# Altium PCB PCB.PcbDoc (continued)
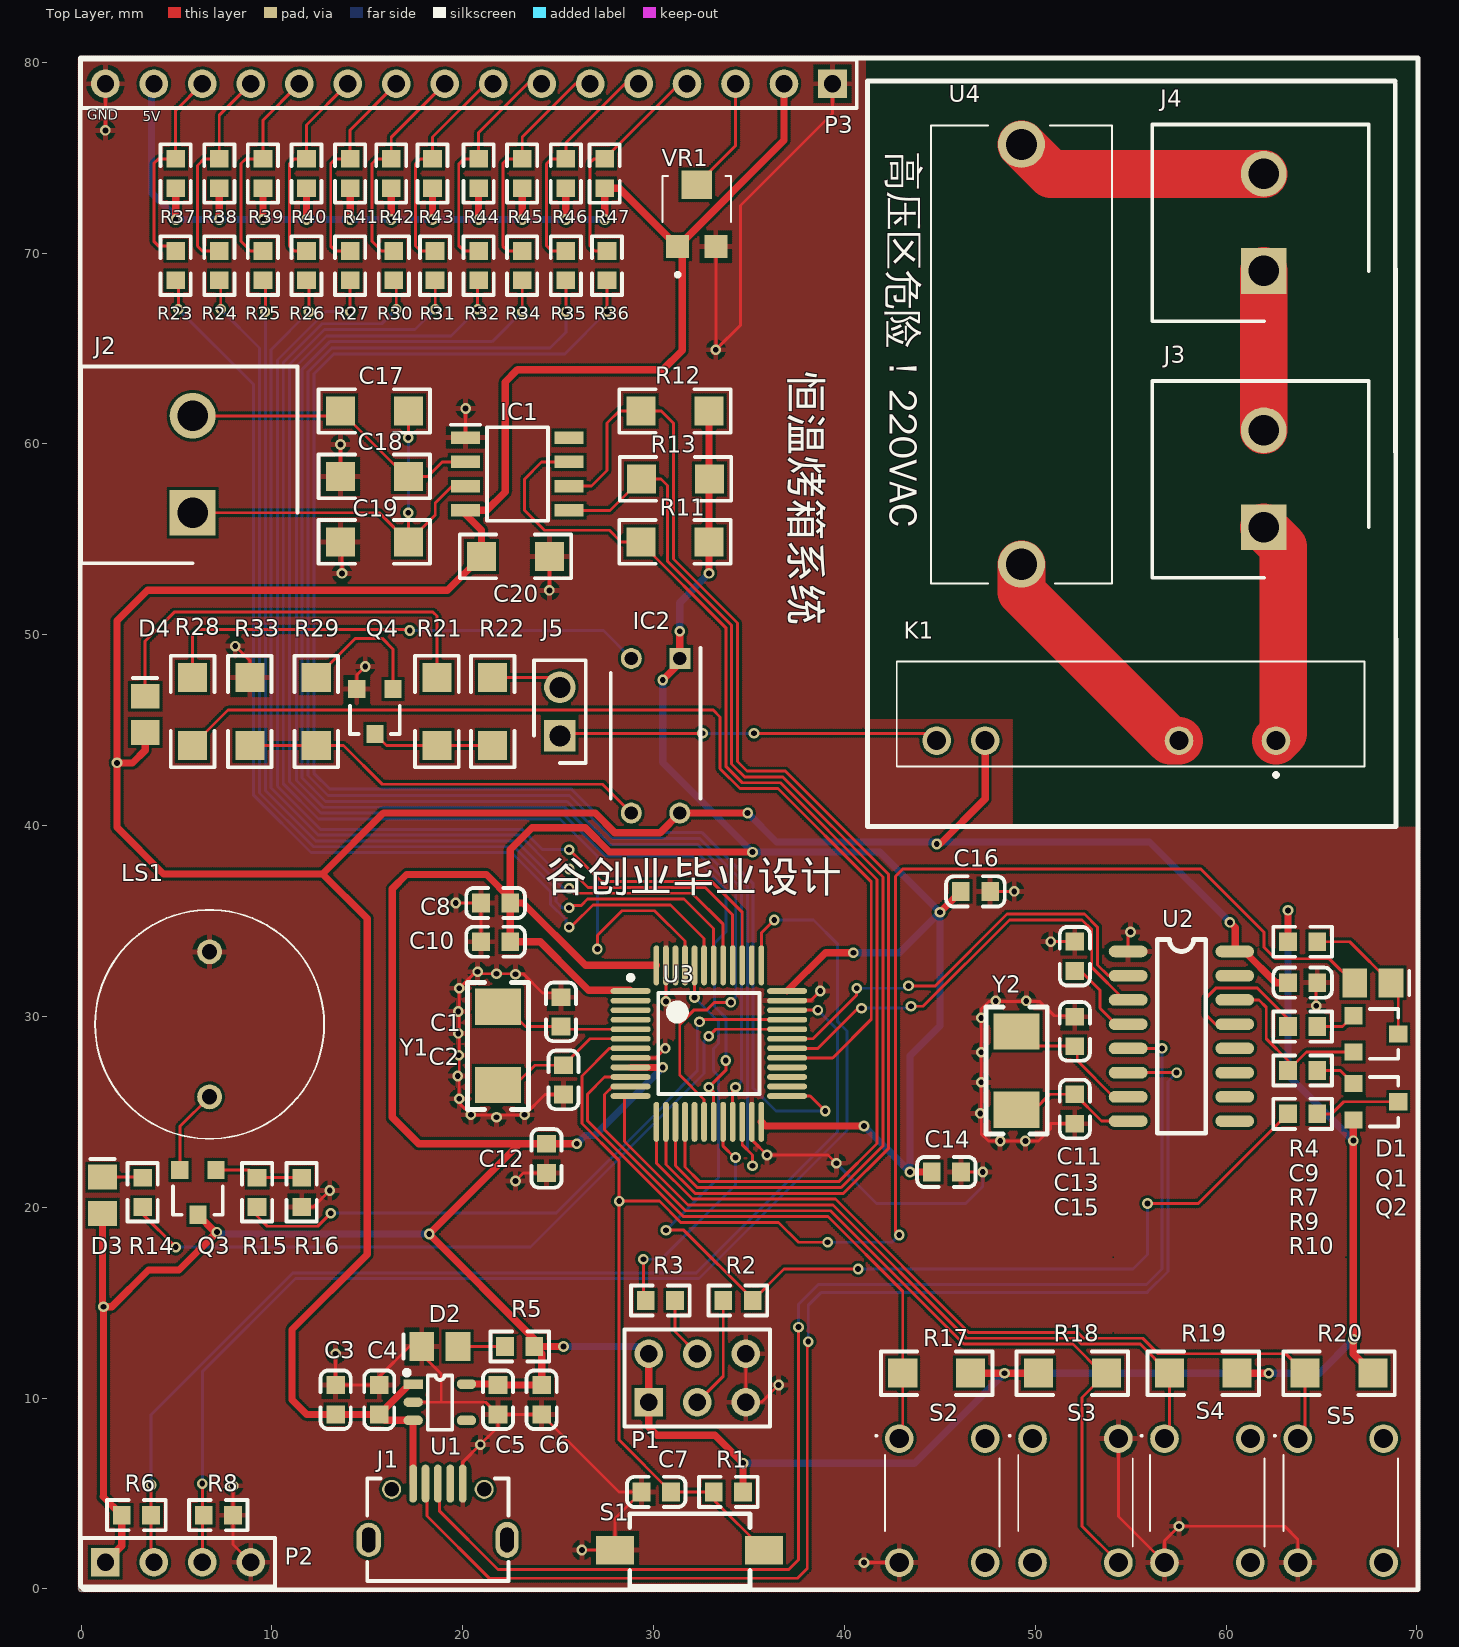
[diagram p0: Top Layer view]
## Footprints (in the part's own frame and the unit in brackets; to place one, negate y for a bottom-side part, rotate by r counter-clockwise, add the part's x,y. Pads: shape width x height; smd on the part's side, far side on the other; paste and mask are expansions set on the pad) (continued)
USB [mm]
  oval 1.3x1.8 hole 0.7 slot 1.3 at 90 deg: 0(-3.6,0.025)
  round 1 hole 0.75: 0(-2.4,2.675) 0(2.45,2.675)
  oval 1.2x1.9 hole 0.7 slot 1.3 at 90 deg: 0(3.65,0.025)
  oval 0.4x2 smd: 1(-1.275,2.975) 2(-0.625,2.975) 3(0.025,2.975) 4(0.675,2.975) 5(1.325,2.975)
  silkscreen extent -3.67,-2.12 3.73,3.24, body extent -4,-2.64 4.05,2.94, height 2.72
VG039NCHXTB204 [mm]
  rect 1.2x1.2 smd: 1(-1,-1.8) 3(1,-1.8)
  rect 1.6x1.5 smd: 2(0,1.45)
  silkscreen extent -1.8,-3.37 1.8,1.9, body extent -1.8,-2.28 1.8,2.05, height 1.3

## Part data
C1 C2 C3 C4 C5 C6 C7 C8 C9 C10 C11 C12 C13 C14 C15 C16: library part Cap, "无极性电容", LatestRevisionDate=17-Jul-2002, LatestRevisionNote="Re-released for DXP Platform.", PackageReference=RAD-0.3, Published=8-Jun-2000, Publisher="Altium Limited"
C17 C18 C19 C20: library part 普通电容, "Capacitor"
D1 D2 D3 D4: "发光二极管", LatestRevisionDate=08-Jul-2005, LatestRevisionNote="Mech Layer 1 removed.", PackageReference=LED-0, Published=8-Jun-2000, Publisher="Altium Limited"
IC1: "Integrated Circuit", Manufacturer_Name="Maxim Integrated", Mouser Part Number=N/A, Datasheet Link=http://datasheets.maximintegrated.com/en/ds/MAX6675.pdf, Height=1.75mm, Manufacturer_Part_Number=MAX6675ISA, Mouser Price/Stock=https://www.mouser.com/Search/Refine.aspx?Keyword=N%2FA
IC2: "Integrated Circuit", Manufacturer_Name="Taiwan Semiconductor", Mouser Part Number=821-TPC817D, Datasheet Link=http://www.taiwansemi.com/products/datasheet/TPC817%20SERIES_C1612.pdf, Height=3.68mm, Manufacturer_Part_Number=TPC817D, Mouser Price/Stock=https://www.mouser.com/Search/Refine.aspx?Keyword=821-TPC817D
J1: "MicroUSB接口"
J2 J3 J4: "Connector", Manufacturer_Name="Phoenix Contact", Mouser Part Number=651-5442918, Allied_Number=71272099, Allied Price/Stock=https://www.alliedelec.com/phoenixcontact-5442918/71272099/, Datasheet Link=https://www.phoenixcontact.com/online/portal/gb/?uri=pxc-oc-itemdetail:pid=5442918&library=gben&pcck=P&tab=1&selectedCategory=ALL, Height=18.2mm, Manufacturer_Part_Number=5442918, Mouser Price/Stock=https://www.mouser.com/Search/Refine.aspx?Keyword=651-5442918
J5: "Connector", Manufacturer_Name=Amphenol, Mouser Part Number=649-69190-402HLF, RS Part Number=8632731, Allied_Number=70302517, Allied Price/Stock=https://www.alliedelec.com/amphenol-fci-69190-402hlf/70302517/, Datasheet Link=https://cdn.amphenol-icc.com/media/wysiwyg/files/drawing/69190.pdf, Height=8.58mm, Manufacturer_Part_Number=69190-402HLF, Mouser Price/Stock=https://www.mouser.com/Search/Refine.aspx?Keyword=649-69190-402HLF, RS Price/Stock=http://uk.rs-online.com/web/p/products/8632731
K1: "Relay or Contactor", Manufacturer_Name="Omron Electronics", Manufacturer_Part_Number="G3MB-202P-4 DC5", Mouser Part Number=653-G3MB-202P4DC5, Datasheet Link="https://componentsearchengine.com/Datasheets/1/G3MB-202P-4 DC5.pdf", Height=20.5mm, Mouser Price/Stock=http://www.mouser.com/Search/ProductDetail.aspx?qs=Z0CfnKMjtWg7MIsv3RC0Aw%3d%3d
LS1: "Loudspeaker or Buzzer", Manufacturer_Name="Jiangsu Huaneng Elec", Datasheet Link=https://datasheet.lcsc.com/szlcsc/Jiangsu-Huaneng-Elec-TMB12A05_C96093.pdf, Height=9.5mm, Manufacturer_Part_Number=TMB12A05
P1 P2: "接插件"
  P2: LatestRevisionDate=17-Jul-2002, LatestRevisionNote="Re-released for DXP Platform.", Publisher="Altium Limited"
P3: "Header16贴片", LatestRevisionDate=17-Jul-2002, LatestRevisionNote="Re-released for DXP Platform.", Publisher="Altium Limited"
Q1 Q3 Q4: "NPN贴片三极管", PackageDocument=Sep-1998, Code_JEDEC=TO-92A, ComponentLink1Description="Manufacturer Link", ComponentLink1URL=http://www.fairchildsemi.com/, ComponentLink2Description=Datasheet, ComponentLink2URL=http://www.fairchildsemi.com/ds/2N%2F2N3904.pdf, DatasheetDocument=1997, LatestRevisionDate=15-Jan-2003, LatestRevisionNote="PCB Footprint 'BCY-W3/D4.7' replaced", PackageReference=TO-92A, Published=8-Jun-2000, Publisher="Altium Limited"
Q2: "PNP贴片三极管", PackageDocument=Sep-1998, Code_JEDEC=TO-92A, ComponentLink1Description="Manufacturer Link", ComponentLink1URL=http://www.fairchildsemi.com/, ComponentLink2Description=Datasheet, ComponentLink2URL=http://www.fairchildsemi.com/ds/2N%2F2N3906.pdf, DatasheetDocument=1997, LatestRevisionDate=15-Jan-2003, LatestRevisionNote="PCB Footprint 'BCY-W3/D4.7' replaced", PackageReference=TO-92A, Published=8-Jun-2000, Publisher="Altium Limited"
R1 R2 R3 R4 R5 R6 R7 R8 R9 R10 R14 R15 R16 R23 R24 R25 R26 R27 R30 R31 R32 R34 R35 R36 R37 R38 R39 R40 R41 R42 R43 R44 R45 R46 R47: library part Res1, "贴片电阻", LatestRevisionDate=17-Jul-2002, LatestRevisionNote="Re-released for DXP Platform.", PackageReference=AXIAL-0.4, Published=8-Jun-2000, Publisher="Altium Limited"
R11 R12 R13: library part RES2
R17 R18 R19 R20 R21 R22 R28 R29 R33: library part Res2, "Resistor", LatestRevisionDate=17-Jul-2002, LatestRevisionNote="Re-released for DXP Platform.", PackageDescription="Axial Device, Thru-Hole; 2 Leads; 0.4 in Pin Spacing", PackageReference=AXIAL-0.4, Published=8-Jun-2000, Publisher="Altium Limited"
S1: "微动开关", LatestRevisionDate=17-Jul-2002, LatestRevisionNote="Re-released for DXP Platform.", PackageReference=SPST-2, Published=24-Mar-1999, Publisher="Altium Limited"
S2 S3 S4 S5: "Switch", Manufacturer_Name="Shou Han", Datasheet Link=https://datasheet.lcsc.com/szlcsc/1910111742_SHOU-HAN-TS665CJ_C393938.pdf, Height=5.15mm, Manufacturer_Part_Number=TS665CJ
U2: "串口芯片"
U3: "STM32单片机48引脚"
U4: "Undefined or Miscellaneous", Manufacturer_Name="Xucheng Elec", Datasheet Link=https://datasheet.lcsc.com/szlcsc/XC-Elec-Shenzhen-5x20-BLX-Fuse-holder_C3131.pdf, Height=10.5mm, Manufacturer_Part_Number=C3131
VR1: "Variable Resistor", Manufacturer_Name="Hokuriku Elec Industry", Datasheet Link=https://datasheet.lcsc.com/szlcsc/Hokuriku-Elec-Industry-VG039NCHXTB204_C128551.pdf, Height=1.2mm, Manufacturer_Part_Number=VG039NCHXTB204
Y1 Y2: library part XTAL, "晶振", LatestRevisionDate=17-Jul-2002, LatestRevisionNote="Re-released for DXP Platform.", PackageReference=R38, Published=8-Jun-2000, Publisher="Altium Limited"

## Via types
v1: diameter 0.559, hole 0.305, Top Layer to Bottom Layer, 136 vias

## Nets (pads, with @x,y where several pads share a name; then routed paths per layer and width w, separated by ;. In a path a pad name is that pad's centre, name@x,y a point inside that pad or via, vN(x,y) a via of type N, cw(c..) or ccw(c..) an arc to the next point about the centre after c; other vN are vias at no path point)
3V3: C5.2 C6.2 C8.2 C10.2 C12.2 C14.2 C16.2 D3.1 IC2.1 P1.1 P1.2 P2.1 Q2.2 Q3.3 R1.2 R4.2 R5.1 R6.2 R11.2 R12.2 R13.2 R17.2 R18.2 R19.2 R20.2 U1.5 U3.1 U3.9 U3.24 U3.36 U3.48 | length 290.4
  Top Layer w0.381: D3.1 1.118,14.834 v1(1.168,14.783) ; P2.1 2.126,2.253 R6.2 1.143,4.843 1.168,4.869 v1(1.168,14.783) ; Q3.3 7.029,18.694 v1(7.112,18.694) 5.131,16.713 3.531,16.713 1.6,14.783 v1(1.168,14.783) ; U1.5 21.794,10.729 C5.2 C6.2 24.13,12.319 R5.1 ; v1(25.273,12.7) R5.1 ; v1(25.969,23.328) C12.2 22.972,23.328 ; U3.1@28.749,31.369 26.591,31.369 26.009,31.951 24.051,33.909 C10.2 C8.2 ; U3.9 v1(30.48,27.325) ; P1.2 P1.1 29.746,8.481 30.171,8.056 33.219,8.056 v1(34.687,6.588) R1.2 ; U3.48 26.425,32.675 23.159,35.941 C8.2 ; v1(30.48,47.625) 31.369,48.514 IC2.1 v1(31.369,50.181) ; v1(32.901,53.213) R11.2 R12.2 ; v1(35.179,38.608) 27.686,38.608 26.416,39.878 23.622,39.878 22.487,38.743 C8.2@22.487,36.179 ; U3.24 35.861,24.257 v1(41.021,24.257) ; U3.36 39.002,33.334 v1(40.466,33.334) ; v1(43.434,21.844) C14.2 ; v1(45.004,35.458) C16.2 ; R17.2 v1(48.387,11.303) R18.2 ; R19.2 v1(62.23,11.303) ; R4.2 v1(63.238,35.552) ; Q2.2 v1(66.668,23.488) v1(66.668,13.081) 66.668,12.326 R20.2 ; C8.2 C8.2@22.487,36.179 ; C8.2@22.487,36.179 21.237,37.429 17.054,37.429 16.307,36.681 16.307,24.707 17.686,23.328 22.972,23.328 ; 22.972,23.328 v1(18.237,18.593) 23.749,13.081 R5.1
  Bottom Layer w0.381: v1(7.112,18.694) 7.214,18.593 v1(18.237,18.593) ; v1(25.273,12.7) 29.365,12.7 P1.2 ; v1(25.969,23.328) 26.398,23.757 26.912,23.757 v1(30.48,27.325) ; v1(30.48,47.625) 30.48,43.307 v1(35.179,38.608) 41.854,38.608 v1(45.004,35.458) ; v1(31.369,50.181) 31.369,51.681 v1(32.901,53.213) ; v1(34.687,6.588) 43.672,6.588 v1(48.387,11.303) v1(62.23,11.303) 64.89,11.303 v1(66.668,13.081) ; v1(40.466,33.334) 42.879,33.334 v1(45.004,35.458) ; v1(41.021,24.257) 43.243,22.034 43.434,22.225 43.434,27.94 45.004,29.51 v1(45.004,35.458) ; v1(63.238,35.552) 63.238,26.917 v1(66.668,23.488)
5V: C3.2 C4.2 C9.1 C20.1 D4.1 IC1.4 IC2.4 J1.1 K1.3 P3.2 P3.15 R37.1 R38.1 R39.1 R40.1 R41.1 R42.1 R43.1 R44.1 R45.1 R46.1 R47.1 U1.1 U1.3 U2.16 VR1.1 | length 242.4
  Top Layer w0.381: D4.1 3.353,43.942 2.692,43.282 v1(1.88,43.282) ; v1@4.953,71.882 R37.1 ; v1@7.239,71.763 R38.1 ; v1@9.525,71.763 R39.1 ; v1@11.811,71.882 R40.1 ; v1(14.097,71.755) R41.1 ; v1@16.25,71.882 R42.1 ; J1.1 17.394,8.824 U1.3 15.931,8.829 C4.2 ; U1.1 17.211,10.729 C4.2 ; v1@18.415,71.882 R43.1 ; IC1.4@20.066,56.388 20.98,55.474 C20.1 19.202,52.324 3.48,52.324 1.88,50.724 v1(1.88,43.282) ; IC1.4 21.26,56.515 22.225,57.48 22.225,63.246 22.86,63.881 30.48,63.881 31.496,64.897 31.496,70.098 VR1.1 ; v1@20.828,71.882 R44.1 ; v1@23.114,71.89 R45.1 ; v1@25.4,71.763 R46.1 ; v1@27.432,71.763 R47.1 28.196,73.398 VR1.1 ; v1(34.925,40.654) IC2.4 30.339,39.624 27.968,39.624 26.938,40.654 15.838,40.654 12.649,37.465 ; P3.2 36.83,75.908 VR1.1 ; v1(44.831,39.035) 45.004,39.035 47.371,41.402 K1.3 ; v1(60.198,34.925) 60.472,34.651 U2.16@60.472,33.401 ; U2.16 U2.16@60.472,33.401 ; C9.1@63,32.004 C9.1 62.595,31.766 60.96,33.401 U2.16@60.472,33.401 ; v1(1.88,43.282) 1.88,39.903 4.318,37.465 12.649,37.465 ; 12.649,37.465 14.986,35.128 14.986,17.526 11.049,13.589 11.049,9.906 11.816,9.139 C3.2 C4.2
  Bottom Layer w0.381: P3.15 3.683,78.74 3.683,73.152 5.072,71.763 11.692,71.763 11.7,71.755 v1(11.811,71.755) v1(14.097,71.755) v1(16.25,71.755) v1(18.415,71.755) v1(20.828,71.755) v1@22.979,71.755 ; v1@22.987,71.763 v1@27.432,71.763 ; v1@34.812,40.654 v1(34.925,40.654) 36.438,39.141 55.982,39.141 v1(60.198,34.925)
  other v1: 4.953,71.755 7.239,71.755 9.525,71.755 23.114,71.755 25.4,71.755 27.432,71.755
6675_CS: IC1.6 R12.1 U3.14 | length 68.2
  Top Layer w0.152: IC1.6 26.746,57.785 27.559,58.598 27.559,61.087 28.194,61.722 R12.1 30.401,61.722 31.039,61.084 31.039,53.973 34.392,50.62 34.392,43.357 34.898,42.851 36.895,42.851 42.316,37.429 42.316,23.089 39.954,20.726 32.161,20.726 30.643,22.245 U3.14
6675_SCK: IC1.5 R13.1 U3.15 | length 61.1
  Top Layer w0.152: IC1.5 27.714,56.515 R13.1 30.381,58.166 30.734,57.813 30.734,53.846 34.087,50.494 34.087,43.231 34.772,42.546 36.768,42.546 42.012,37.303 42.012,23.215 39.828,21.031 32.287,21.031 31.143,22.176 U3.15 ; R13.1@28.956,58.166 R13.1@29.11,58.166
6675_SO: IC1.7 R11.1 U3.16 | length 62.5
  Top Layer w0.152: IC1.7 24.13,59.055 23.241,58.166 23.241,56.515 24.282,55.474 27.682,55.474 28.292,54.864 R11.1 29.345,54.804 33.782,50.367 33.782,43.105 34.646,42.241 36.642,42.241 41.707,37.176 41.707,23.341 39.702,21.336 32.414,21.336 31.643,22.107 U3.16
BOOT0: R2.1 R10.1 U3.44 | length 55.5
  Top Layer w0.152: v1(30.651,18.796) 31.58,18.796 R2.1@35.225,15.151 ; v1(32.143,30.988) U3.44 ; R2.1 R2.1@35.225,15.151 ; v1(40.716,16.764) 36.838,16.764 R2.1@35.225,15.151 ; v1(55.88,20.193) 58.539,20.193 R10.1
  Bottom Layer w0.152: v1(30.651,18.796) 33.401,21.546 33.401,26.873 33.147,27.127 33.147,28.321 33.397,28.571 33.397,29.734 v1(32.143,30.988) ; v1(40.716,16.764) 55.118,16.764 55.88,17.526 v1(55.88,20.193)
BOOT1: R3.2 U3.20 | length 12.3
  Top Layer w0.152: v1(29.464,17.272) 29.464,15.232 R3.2 ; U3.20 33.643,23.198 34.235,22.606 v1(34.29,22.606)
  Bottom Layer w0.152: v1(29.464,17.272) 30.403,17.272 34.29,21.159 v1(34.29,22.606)
buzzer: R15.2 U3.33 | length 34.4
  Top Layer w0.152: R15.2 9.22,19.533 9.754,18.999 12.395,18.999 v1(13.081,19.685) ; v1(32.399,29.712) 32.512,29.825 U3.33
  Bottom Layer w0.152: v1(13.081,19.685) 24.891,19.685 30.538,25.332 30.538,25.399 32.286,27.147 32.286,29.599 v1(32.399,29.712)
CLK: P2.3 R8.2 U3.37 | length 65.5
  Top Layer w0.152: P2.3 v1(6.35,5.515) ; U3.37 35.643,34.373 v1(36.322,35.052)
  Bottom Layer w0.152: v1(6.35,5.515) 6.35,11.38 11.226,16.256 32.373,16.256 40.132,24.015 40.132,29.232 39.624,29.74 39.624,33.81 38.382,35.052 v1(36.322,35.052)
D0: R32.2 U3.18 | length 74.3
  Top Layer w0.152: v1(20.777,67.056) R32.2@20.777,68.699 ; U3.18 32.643,25.65 31.369,26.924 31.369,29.591 32.103,30.325 32.766,30.325 33.175,30.734 v1(34.047,30.734)
  Bottom Layer w0.152: v1(20.777,67.056) 19.381,65.66 12.851,65.66 11.278,64.086 11.278,42.366 12.685,40.959 25.342,40.959 27.591,38.71 32.166,38.71 34.301,36.575 34.301,30.988 v1(34.047,30.734)
D1: R31.2 U3.19 | length 70.7
  Top Layer w0.152: v1(18.555,67.056) R31.2@18.555,68.699 ; U3.19 33.143,26.067 32.921,26.289 v1(32.893,26.289) 33.782,27.178 v1(33.782,27.688)
  Bottom Layer w0.152: v1(18.555,67.056) 17.489,65.989 12.749,65.989 10.922,64.162 10.922,42.29 12.558,40.654 25.215,40.654 27.465,38.405 32.04,38.405 33.782,36.662 33.782,34.419 33.193,33.83 33.193,30.52 33.782,29.931 v1(33.782,27.688)
D2: R30.2 U3.45 | length 61.5
  Top Layer w0.152: v1(16.51,67.056) R30.2@16.51,68.699 ; v1(27.051,33.528) 27.051,34.245 28.34,35.535 30.052,35.535 31.643,33.944 U3.45
  Bottom Layer w0.152: v1(16.51,67.056) 15.748,66.294 12.623,66.294 10.592,64.263 10.592,42.189 12.432,40.349 25.089,40.349 27.051,38.387 v1(27.051,33.528)
D3: R27.2 U3.39 | length 58.7
  Top Layer w0.152: v1(14.097,66.929) R27.2 ; v1@25.594,38.735 27.271,37.059 33.043,37.059 34.643,35.458 U3.39
  Bottom Layer w0.152: v1(14.097,66.929) 12.827,66.929 10.287,64.389 10.287,42.063 12.548,39.802 23.108,39.802 24.175,38.735 v1(25.572,38.735) v1@25.594,38.735
D4: R26.2 U3.40 | length 57
  Top Layer w0.152: v1(11.938,66.929) R26.2@11.938,68.572 ; v1@25.594,37.719 26.559,36.754 32.704,36.754 34.143,35.314 U3.40
  Bottom Layer w0.152: v1(11.938,66.929) 9.957,64.948 9.957,41.962 12.422,39.497 22.982,39.497 24.76,37.719 v1(25.572,37.719) v1@25.594,37.719
D5: R25.2 U3.41 | length 55.8
  Top Layer w0.152: v1(9.652,66.929) R25.2@9.652,68.572 ; v1(25.572,36.703) 25.826,36.449 32.016,36.449 33.643,34.822 U3.41
  Bottom Layer w0.152: v1(9.652,66.929) 9.652,41.836 12.296,39.192 22.803,39.192 25.293,36.703 v1(25.572,36.703)
D6: R24.2 U3.42 | length 57.4
  Top Layer w0.152: v1(7.315,67.056) R24.2@7.315,68.699 ; v1@25.445,35.56 v1(25.572,35.687) v1@25.699,35.814 ; v1@25.781,35.814 26.21,35.814 26.54,36.144 31.598,36.144 33.143,34.599 U3.42
  Bottom Layer w0.152: v1(7.315,67.056) 9.347,65.024 9.347,41.71 12.17,38.887 22.677,38.887 24.891,36.674 24.891,36.012 25.216,35.687 v1(25.572,35.687)
D7: R23.2 U3.43 | length 58.6
  Top Layer w0.152: v1(5.093,67.056) R23.2@5.093,68.699 ; v1@25.4,34.798 25.781,34.798 26.822,35.839 30.886,35.839 32.643,34.082 U3.43 U3.43@32.643,32.379
  Bottom Layer w0.152: v1(5.093,67.056) 9.042,63.107 9.042,41.584 12.043,38.583 22.551,38.583 24.586,36.547 24.586,35.886 25.4,35.072 v1@25.4,34.798
  other v1: 25.572,34.671
D+: J1.3 U2.5 | length 68.4
  Top Layer w0.152: J1.3 18.771,5.439 18.771,4.089 21.844,1.016 37.084,1.016 37.592,1.524 v1(37.592,13.716) ; U2.5@54.941,28.398 U2.5 v1(56.642,28.321)
  Bottom Layer w0.152: v1(37.592,13.716) 37.592,14.914 38.629,15.951 55.829,15.951 56.642,16.764 v1(56.642,28.321)
D-: J1.2 U2.6 | length 69.9
  Top Layer w0.152: J1.2 18.121,5.439 18.121,3.82 21.384,0.556 37.544,0.556 38.052,1.064 38.052,12.741 38.093,12.7 38.1,12.707 v1(38.1,12.954) ; U2.6 v1(57.404,27.051)
  Bottom Layer w0.152: v1(38.1,12.954) 38.1,14.859 38.76,15.519 55.88,15.519 55.88,15.571 56.947,16.638 56.947,26.594 v1(57.404,27.051)
DIO: P2.2 R6.1 U3.34 | length 58.3
  Top Layer w0.152: v1(3.666,5.444) R6.1 3.666,1.541 P2.2 ; U3.34 v1(38.608,30.325)
  Bottom Layer w0.152: v1(3.666,5.444) 3.666,9.127 11.1,16.561 32.247,16.561 39.624,23.938 39.624,29.309 v1(38.608,30.325)
E: R34.2 U3.21 | length 73.7
  Top Layer w0.152: v1(23.114,66.929) R34.2 ; U3.21 34.143,26.142 v1(34.29,26.289)
  Bottom Layer w0.152: v1(23.114,66.929) 21.54,65.355 13.031,65.355 11.582,63.906 11.582,42.492 12.811,41.264 25.468,41.264 27.717,39.014 32.292,39.014 34.605,36.701 34.605,26.604 v1(34.29,26.289)
GND: C1.2 C2.2 C3.1 C4.1 C5.1 C6.1 C7.2 C8.1 C9.2 C10.1 C11.1 C12.1 C13.2 C14.1 C15.2 C16.1 C18.2 C19.2 C20.2 D2.2 IC1.1 J1.5 LS1.1 P1.5 P1.6 P2.4 P3.1 P3.16 Q4.2 R8.1 R16.1 R33.1 S1.2 S2.C1 S3.B1 S4.C1 S5.C1 U1.2 U2.1 U3.8 U3.23 U3.35 U3.47 VR1.3 | length 167.4
  Top Layer w0.152: v1(1.27,76.429) P3.16 ; v1(7.958,5.407) R8.1 7.958,2.329 P2.4 ; v1(8.077,49.403) 8.839,48.641 R33.1 ; R16.1 12.159,20.007 v1(13.03,20.879) ; v1(13.335,12.319) C3.1 C4.1 15.621,11.12 17.201,12.7 D2.2 17.846,12.278 18.872,11.252 18.872,9.779 ; C19.2 13.538,54.813 13.665,54.686 v1(13.665,53.213) ; C18.2 v1(13.589,59.969) ; Q4.2 14.442,47.894 v1(14.884,48.336) ; U1.2 18.872,9.779 ; v1(19.634,35.941) C8.1 C10.1 ; J1.5 19.994,6.634 v1(20.919,7.559) 21.844,8.484 C5.1 ; IC1.1 v1(20.148,61.855) ; v1(22.758,21.376) 23.17,21.788 C12.1 ; v1(24.536,52.324) C20.2 ; C1.2 24.933,31.217 24.181,31.217 23.165,32.233 v1(21.768,32.233) 20.574,32.233 v1(19.812,31.471) v1(19.812,25.679) 19.812,25.451 v1(20.422,24.841) v1(23.241,24.841) 24.3,25.9 C2.2 ; v1(26.238,2.032) S1.2 27.977,3.688 C7.2 28.189,5.08 C6.1 C5.1 ; U3.8 30.111,27.825 v1(30.607,28.321) ; v1(30.643,30.785) U3.47 ; v1@33.096,64.77 v1(33.258,64.932) ; VR1.3 v1(33.258,64.932) ; P1.6 P1.5 35.65,9.779 v1(36.551,10.679) ; U3.23 35.143,23.531 v1(35.941,22.733) 39.144,22.733 v1(39.574,22.302) ; U3.35 38.235,30.825 v1(38.735,31.325) ; P3.1 39.37,77.318 34.544,72.492 34.544,66.218 v1(33.258,64.932) ; v1(41.021,1.374) S2.C1 ; C14.1 v1(47.244,21.844) ; C16.1 v1(48.895,36.547) ; v1(50.808,33.917) C11.1 ; C15.2 52.062,24.384 50.8,24.384 50.8,24.105 50.165,23.47 v1(49.479,23.47) v1(48.158,23.47) 47.549,23.47 47.168,23.851 v1(47.168,26.543) v1(47.168,28.118) v1(47.168,29.921) 47.168,30.378 47.574,30.785 50.236,30.785 50.988,30.033 52.017,30.033 C13.2 ; S3.B1 54.356,3.787 S4.C1 56.769,2.517 v1(57.531,3.279) 63.067,3.279 63.754,2.592 S5.C1 ; U2.1 54.864,34.29 v1(54.991,34.417) ; v1(64.719,30.556) 64.719,31.707 C9.2 ; 18.872,9.779 21.204,9.779 C5.1
  Bottom Layer w0.152: v1(39.574,22.302) 41.684,20.193 46.355,20.193 47.244,21.082 v1(47.244,21.844)
  other v1: 21.768,24.714 47.117,24.917 19.736,26.873 19.787,27.965 19.761,29.108 19.761,30.251 47.93,30.81 49.53,30.81 22.758,32.207 20.777,32.334
K0: R17.1 S2.A1 U3.10 | length 32
  Top Layer w0.152: U3.10 27.432,26.825 26.543,25.936 26.543,24.511 31.547,19.507 39.144,19.507 43.053,15.598 R17.1 43.053,8.056 S2.A1
K1: R18.1 S3.D1 U3.11 | length 46.2
  Top Layer w0.152: U3.11 27.858,26.325 27.432,25.899 27.432,24.053 31.673,19.812 39.27,19.812 46.255,12.827 51.971,12.827 53.495,11.303 R18.1 52.451,10.033 52.451,3.279 S3.D1
K2: R19.1 S4.A1 U3.12 | length 39.8
  Top Layer w0.152: U3.12 28.467,25.825 28.467,23.45 31.799,20.117 39.396,20.117 46.381,13.132 52.097,13.132 52.402,12.827 55.499,12.827 R19.1 57.023,8.128 S4.A1
K3: R20.1 S5.A1 U3.13 | length 44.3
  Top Layer w0.152: U3.13 30.159,24.459 30.159,22.297 32.035,20.422 39.522,20.422 46.507,13.437 52.224,13.437 52.528,13.132 55.625,13.132 56.438,12.319 63.119,12.319 R20.1 64.135,8.255 S5.A1
led: R14.2 U3.32 | length 40.6
  Top Layer w0.152: R14.2 3.226,19.634 v1(4.953,17.907) ; v1(32.889,28.956) 33.258,29.325 U3.32
  Bottom Layer w0.152: v1(4.953,17.907) 23.544,17.907 30.89,25.253 32.639,27.002 32.639,28.706 v1(32.889,28.956)
NetC11_2: C11.2 U2.4 | length 4.5
  Top Layer w0.152: C11.2 52.383,32.377 53.391,31.369 53.391,30.429 54.229,29.591 U2.4
NetC13_1: C13.1 U2.7 Y2.1 | length 7.6
  Top Layer w0.152: Y2.1 49.792,28.44 C13.1 52.197,28.313 52.197,27.686 54.102,25.781 U2.7
NetC15_1: C15.1 U2.8 Y2.2 | length 6.8
  Top Layer w0.152: Y2.2 49.951,25.11 50.757,25.916 C15.1 53.475,24.511 U2.8
NetC17_1: C17.1 C18.1 IC1.2 J2.2 | length 16.1
  Top Layer w0.152: J2.2 13.335,61.468 C17.1 17.018,58.293 C18.1 18.161,58.293 18.923,59.055 IC1.2
NetC17_2: C17.2 C19.1 IC1.3 J2.1 | length 22.7
  Top Layer w0.152: J2.1 15.621,56.388 C19.1 ; v1(17.145,56.388) C19.1 ; v1(17.145,60.325) C17.2 ; IC1.3@19.444,57.785 18.555,56.896 18.555,56.274 C19.1
  Bottom Layer w0.152: v1(17.145,56.388) v1(17.145,60.325)
NetD1_2: D1.2 Q1.3 R4.1 | length 7.6
  Top Layer w0.152: R4.1 66.482,33.909 D1.2 69.018,31.373 Q1.3
NetD2_1: D2.1 R5.2 | length 2.5
  Top Layer w0.152: D2.1 R5.2
NetD3_2: D3.2 R14.1 | length 2.1
  Top Layer w0.152: D3.2 3.197,21.576 R14.1
NetD4_2: D4.2 R21.2 | length 22.1
  Top Layer w0.152: D4.2 3.353,49.657 4.877,51.181 18.44,51.181 18.644,50.978 R21.2
NetIC2_2: IC2.2 R28.1 | length 26
  Top Layer w0.152: R28.1 5.842,50.013 6.096,50.267 17.17,50.267 v1(17.221,50.216)
  Bottom Layer w0.152: v1(17.221,50.216) 27.367,50.216 IC2.2
NetIC2_3: IC2.3 R29.2 R33.2 | length 21.5
  Top Layer w0.152: R33.2 R29.2 13.741,44.196 15.773,42.164 27.319,42.164 IC2.3
NetJ3_1: J3.1 K1.1 | length 11.8
  Top Layer w2.5: J3.1 63,54.602 63,44.839 K1.1
NetJ3_2: J3.2 J4.1 | length 8.4
  Top Layer w2.5: J3.2 J4.1
NetJ4_2: J4.2 U4.1 | length 13.3
  Top Layer w2.5: U4.1 50.822,74.146 J4.2
NetJ5_1: J5.1 K1.4 | length 19.8
  Top Layer w0.152: J5.1@25.083,44.831 v1(32.56,44.831) ; v1(35.255,44.831) K1.4@44.839,44.831 ; K1.4 K1.4@44.839,44.45
  Bottom Layer w0.152: v1(32.56,44.831) v1(35.255,44.831)
NetJ5_2: J5.2 R22.1 | length 3.7
  Top Layer w0.152: R22.1 24.575,47.752 J5.2
NetK1_2: K1.2 U4.2 | length 13.2
  Top Layer w0.152: U4.2 U4.2@49.276,53.975
  Top Layer w2.5: U4.2 49.276,52.238 57.064,44.45 K1.2
NetLS1_2: LS1.2 Q3.2 | length 4.5
  Top Layer w0.152: Q3.2 5.171,24.221 LS1.2
NetP1_3: P1.3 R2.2 | length 5.9
  Top Layer w0.152: P1.3 33.647,11.14 R2.2
NetP1_4: P1.4 R3.1 | length 3.3
  Top Layer w0.152: R3.1 31.123,13.482 P1.4
NetP3_3: P3.3 VR1.2 | length 6.1
  Top Layer w0.152: VR1.2 34.29,75.618 P3.3
NetP3_4: P3.4 R36.1 R47.2 | length 12.1
  Top Layer w0.152: R36.1 26.924,70.112 26.67,70.366 26.67,74.724 26.884,74.938 R47.2 31.361,78.867 P3.4
NetP3_5: P3.5 R35.1 R46.2 | length 12.5
  Top Layer w0.152: R35.1 24.655,70.112 24.384,70.383 24.384,74.676 24.646,74.938 R46.2 25.4,75.774 28.493,78.867 P3.5
NetP3_6: P3.6 R34.1 R45.2 | length 12.4
  Top Layer w0.152: R34.1 23.106,70.104 22.352,70.104 22.098,70.358 22.098,74.684 22.352,74.938 R45.2 23.114,76.073 25.908,78.867 P3.6
NetP3_7: P3.7 R32.1 R44.2 | length 12.3
  Top Layer w0.152: R32.1 20.058,70.112 19.787,70.383 19.787,74.651 20.074,74.938 R44.2 20.828,76.302 23.393,78.867 P3.7
NetP3_8: P3.8 R31.1 R43.2 | length 11.9
  Top Layer w0.152: R31.1 17.78,70.112 17.526,70.366 17.526,74.676 17.78,74.93 17.78,74.938 R43.2 18.415,76.073 21.209,78.867 P3.8
NetP3_9: P3.9 R30.1 R42.2 | length 11.6
  Top Layer w0.152: R30.1 15.74,70.112 15.24,70.612 15.24,74.684 15.494,74.938 R42.2 16.25,76.067 P3.9
NetP3_10: P3.10 R27.1 R41.2 | length 11.5
  Top Layer w0.152: R27.1 13.327,70.112 13.081,70.358 13.081,74.684 13.335,74.938 R41.2 14.097,76.454 P3.10
NetP3_11: P3.11 R26.1 R40.2 | length 11.1
  Top Layer w0.152: R26.1 11.168,70.112 10.922,70.358 10.922,74.684 11.176,74.938 R40.2 11.811,76.708 P3.11
NetP3_12: P3.12 R25.1 R39.2 | length 11.4
  Top Layer w0.152: R25.1 8.882,70.112 8.382,70.612 8.382,74.684 8.636,74.938 R39.2 9.525,76.962 P3.12
NetP3_13: P3.13 R24.1 R38.2 | length 11.4
  Top Layer w0.152: R24.1 6.342,70.112 6.096,70.358 6.096,74.582 6.452,74.938 R38.2 7.239,77.216 P3.13
NetP3_14: P3.14 R23.1 R37.2 | length 11.2
  Top Layer w0.152: R23.1 4.707,70.358 4.064,70.358 3.81,70.612 3.81,74.684 4.064,74.938 R37.2 4.953,77.47 P3.14
NetQ1_1: Q1.1 R7.2 | length 2.1
  Top Layer w0.152: R7.2 66.099,29.464 Q1.1
NetQ1_2: Q1.2 R9.2 U2.14 | length 9.4
  Top Layer w0.152: U2.14 61.722,30.861 62.103,30.48 62.103,28.829 63.238,27.694 R9.2 64.211,28.133 Q1.2
NetQ2_1: Q2.1 R9.1 | length 2.2
  Top Layer w0.152: R9.1 65.985,27.16 Q2.1
NetQ2_3: Q2.3 R10.2 | length 4.5
  Top Layer w0.152: R10.2 65.532,24.892 66.167,25.527 Q2.3
NetQ3_1: Q3.1 R15.1 R16.2 | length 4.7
  Top Layer w0.152: Q3.1 8.815,21.952 R15.1 R16.2
NetQ4_1: Q4.1 R29.1 | length 7.2
  Top Layer w0.152: R29.1 14.376,49.809 15.773,49.809 16.342,49.24 Q4.1
NetQ4_3: Q4.3 R21.1 R22.2 | length 6.4
  Top Layer w0.152: Q4.3 15.995,44.196 R21.1 R22.2
NetR7_1: R7.1 U2.13 | length 8.2
  Top Layer w0.152: U2.13 59.436,29.591 58.928,30.099 58.928,30.944 59.48,31.496 61.62,31.496 63.238,29.878 R7.1
NRST: C7.1 D1.1 R1.1 S1.1 U3.7 | length 95
  Top Layer w0.152: U3.7 27.686,28.325 26.238,26.877 26.238,24.385 28.194,22.429 v1(28.194,20.32) ; S1.1 33.147,4.662 R1.1 C7.1 28.194,7.795 v1(28.194,20.32) ; v1(39.116,18.161) 37.592,18.161 36.551,19.202 31.421,19.202 30.303,20.32 v1(28.194,20.32) ; v1(42.871,18.542) 42.672,18.741 42.672,37.338 43.053,37.719 58.674,37.719 61.976,34.417 61.976,33.635 62.591,33.02 65.405,33.02 66.675,31.75 D1.1
  Bottom Layer w0.152: v1(39.116,18.161) 42.49,18.161 v1(42.871,18.542)
OSCIN: C1.1 U3.5 Y1.1 | length 7.4
  Top Layer w0.152: Y1.1 22.258,30.498 23.292,29.464 C1.1 25.285,29.325 U3.5
OSCOUT: C2.1 U3.6 Y1.2 | length 8
  Top Layer w0.152: Y1.2 22.74,26.398 23.782,27.44 C2.1 26.658,28.825 U3.6
OUTPUT: R28.2 U3.29 | length 54.1
  Top Layer w0.152: R28.2 7.696,46.05 33.122,46.05 33.477,45.695 33.477,42.978 34.519,41.936 36.516,41.936 41.402,37.05 41.402,29.845 39.382,27.825 U3.29
PA9: U2.3 U3.30 | length 23.5
  Top Layer w0.152: U3.30 38.612,28.325 40.716,30.429 v1(40.894,30.429) ; v1(43.485,30.531) 44.12,30.531 48.641,35.052 52.451,35.052 52.959,34.544 52.959,32.57 54.668,30.861 U2.3
  Bottom Layer w0.152: v1(40.894,30.429) 43.383,30.429 v1(43.485,30.531)
PA10: U2.2 U3.31 | length 23.3
  Top Layer w0.152: U3.31 38.35,28.825 40.64,31.115 v1(40.64,31.471) ; v1(43.358,31.598) 44.756,31.598 48.515,35.357 52.577,35.357 53.264,34.67 53.264,32.697 53.83,32.131 U2.2
  Bottom Layer w0.152: v1(40.64,31.471) 43.231,31.471 v1(43.358,31.598)
RS: R36.2 U3.25 | length 82
  Top Layer w0.152: v1(27.559,66.929) R36.2 ; U3.25 38.203,25.825 v1(38.989,25.039)
  Bottom Layer w0.152: v1(27.559,66.929) 25.349,64.719 13.257,64.719 12.192,63.654 12.192,42.744 13.026,41.91 25.684,41.91 27.97,39.624 32.545,39.624 35.215,36.954 35.215,26.233 36.41,25.039 v1(38.989,25.039)
RW: R35.2 U3.22 | length 81
  Top Layer w0.152: v1(25.4,66.929) R35.2 ; U3.22 34.643,23.269 35.179,22.733 v1(35.179,22.176)
  Bottom Layer w0.152: v1(25.4,66.929) 25.4,65.849 24.575,65.024 13.131,65.024 11.887,63.78 11.887,42.618 12.937,41.568 25.594,41.568 27.843,39.319 32.418,39.319 34.91,36.827 34.91,23.002 35.179,22.733 v1(35.179,22.176)
pads on no net: IC1.8 J1.0 J1.4 S2.B1 S2.D1 S3.A1 S3.C1 S4.B1 S4.D1 S5.B1 S5.D1 U1.4 U2.9 U2.10 U2.11 U2.12 U2.15 U3.2 U3.3 U3.4 U3.17 U3.26 U3.27 U3.28 U3.38 U3.46
copper on no net: | length 0
  Top Layer w0.152: 36.993,26.825 37.021,26.797

## Polygon pours and split planes (outlines as drawn)
GND on Top Layer "GND_L01_P000" (hatched 90Degree grid 0.102 track 0.127, remove dead copper, pour order 0): -0.126,0.017 cw(c0,0.033) -0.127,0.033 -0.127,80.033 cw(c0,80.033) -0.11,80.096 cw(c0,80.16) 0,80.287 70,80.287 cw(c70,80.16) 70.127,80.16 cw(c70,80.16) 70.11,80.096 cw(c70,80.033) 70.127,80.033 70.127,0.033 cw(c70,0.033) 70.126,0.016 cw(c70,0) 70.127,0 cw(c70,0) 70,-0.127 0,-0.127 cw(c0,0)
GND on Bottom Layer "GND_L02_P001" (hatched 90Degree grid 0.102 track 0.127, remove dead copper, pour order 1): -0.126,0.017 cw(c0,0.033) -0.127,0.033 -0.127,80.033 cw(c0,80.033) -0.11,80.096 cw(c0,80.16) 0,80.287 70,80.287 cw(c70,80.16) 70.127,80.16 cw(c70,80.16) 70.11,80.096 cw(c70,80.033) 70.127,80.033 70.127,0.033 cw(c70,0.033) 70.126,0.016 cw(c70,0) 70.127,0 cw(c70,0) 70,-0.127 0,-0.127 cw(c0,0)

## Other copper
Top Layer:
  pour cut-out: 41.402,80.25
  pour cut-out: 41.072,80.287 41.072,45.517 48.768,45.517 48.768,39.878 70.127,39.878 70.127,80.287
  pour cut-out: 40.97,80.264
  pour cut-out: 43.18,78.537
  pour cut-out: 54.102,17.374
  pour cut-out: 55.118,60.35
Bottom Layer:
  pour cut-out: 70.053,80.162 70.053,39.952 70.077,39.929 48.768,39.929 48.768,45.517 41.097,45.517 41.097,80.262 41.072,80.287
  pour cut-out: 66.802,37.262
  pour cut-out: 41.072,80.287

## Silkscreen, mask and mechanical layers (free items; w line width, h text height)
Top Overlay:
  lines w0.254: 68.859,78.892 68.897,40.145 68.897,39.967 68.91,39.954 68.707,39.954 41.504,39.954 41.199,39.954 41.199,40.259 41.199,79.019 68.859,79.019 ; -0.051,0.178 0.178,-0.051 70.053,-0.051 70.053,80.213 -0.051,80.213 -0.051,0.178
  text "GND" at 0.33,76.81 h0.89
  text "5V" at 3.226,76.733 h0.89
  text "高压区危险！220VAC" at 41.885,75.311 h2.6 r270
  text "恒温烤箱系统" at 36.652,63.83 h2.8 r270
  text "谷创业毕业设计" at 24.282,35.992 h2.8
Drill Drawing:
  lines w0.254: 0.584,80.099 0.622,80.061